# Altium PCB BW2098POE.PcbDoc (part 3 of 4)
Units mm, origin at the board's own origin, x right, y up, seen from the top; angles counter-clockwise.
Board outline 80 x 60 mm, 4 copper layers (Top Layer, Layer 2, Layer 3, Bottom Layer), stack 1.578 mm thick; 237 components, 208 nets, 924 pads, 538 vias.
Unrouted connection lines stored in the file: 70.
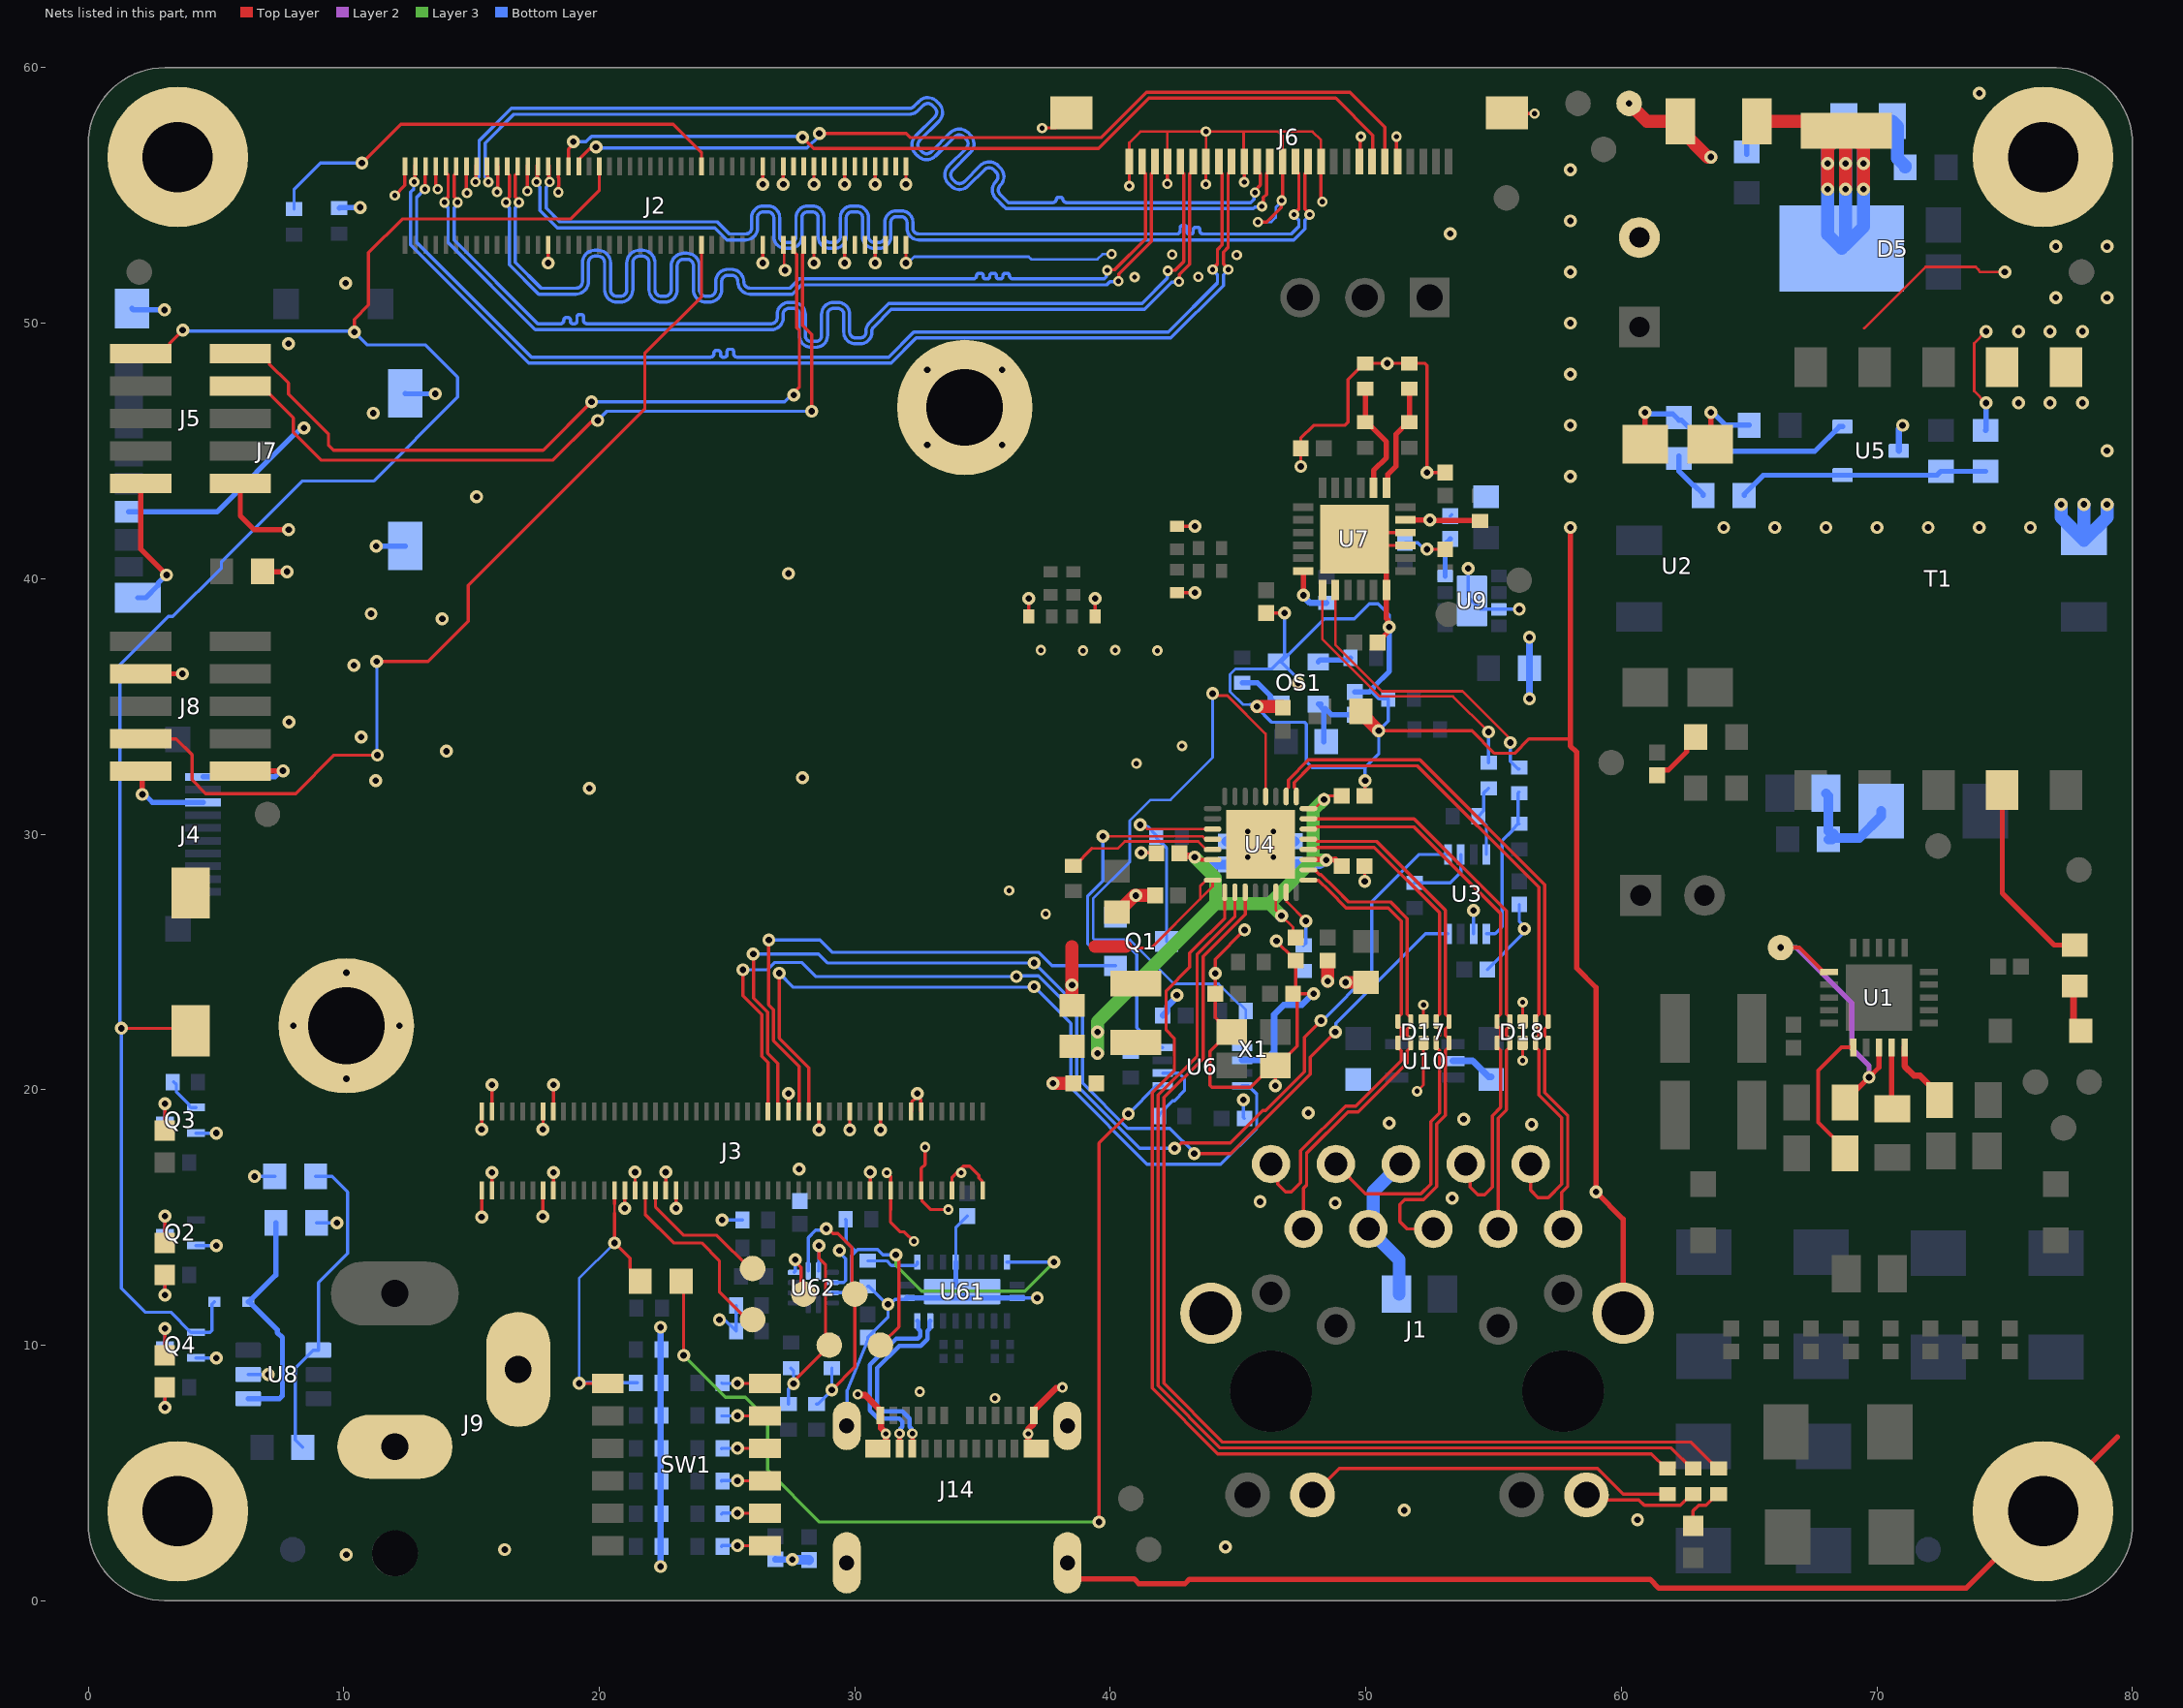
[diagram p5: the nets of this part, all layers, seen from the top]

## Via types
v1: diameter 0.508, hole 0.254, Top Layer to Bottom Layer, tented both sides, 426 vias
v2: diameter 0.406, hole 0.203, Top Layer to Bottom Layer, tented both sides, 96 vias
v3: diameter 0.406, hole 0.203, Top Layer to Bottom Layer, 8 vias
v4: diameter 0.508, hole 0.254, Top Layer to Bottom Layer, 8 vias

## Nets (pads, with @x,y where several pads share a name; then routed paths per layer and width w, separated by ;. In a path a pad name is that pad's centre, name@x,y a point inside that pad or via, vN(x,y) a via of type N, cw(c..) or ccw(c..) an arc to the next point about the centre after c; other vN are vias at no path point) (continued)
GND: B1.1 C6.1 C7.2 C9.1 C18.1 C19.1 C20.2 C21.1 C25.2 C27.2 C28.2 C29.2 C30.2 C31.2 C32.1 C34.1 C35.1 C36.1 C37.1 C38.1 C39.1 C40.1 C41.1 C42.1 C43.1 C44.1 C45.1 C46.1 C47.1 C48.1 C49.1 C51.1 C52.1 C53.1 C55.1 C56.1 C57.2 C58.1 C59.1 C60.1 C73.1 C74.1 C76.1 C207.1 D17.3 D17.8 D18.3 D18.8 J1.19 J1.20 J2.1 J2.7 J2.13 J2.19 J2.25 J2.30 J2.31 J2.71 J2.72 J2.75 J2.76 J2.81 J2.82 J2.87 J2.88 J2.93 J2.94 J2.99 J2.100 J3.1 J3.2 J3.3 J3.4 J3.13 J3.14 J3.15 J3.16 J3.30 J3.32 J3.38 J3.40 J3.61 J3.67 J3.73 J3.78 J3.79 J3.82 J3.85 J3.87 J3.88 J3.94 J3.100 J4.8 J4.10 J5.9 J5.10 J6.5 J6.8 J6.11 J6.14 J6.17 J6.20 J6.23 J6.26 J6.MP1 J6.MP2 J7.6 J7.11 J7.12 J7.13 J7.14 J8.3 J8.9 J8.10 J9.2 J9.3 J14.A1 J14.A12 J14.B1 J14.B12 J14.SH1 J14.SH2 J14.SH3 J14.SH4 MH1.1 MH2.1 MP1.1 MP2.1 MP3.1 MP4.1 OS1.2 Q1.2 Q2.2 Q3.2 Q4.2 R15.1 R19.2 R20.2 R21.2 R22.2 R23.2 R31.2 R32.2 R40.2 R41.1 R42.1 R43.1 R44.2 R45.2 R48.1 R52.1 R62.2 R63.2 R67.1 R69.2 R183.1 R185.2 T1.9 T1.10 TP9.1 U3.2 U4.33 U5.3 U6.2 U7.3 U7.4 U7.24 U7.25 U8.2 U9.3 U9.9 U10.2 U61.5 U61.11 U61.20 U61.21 U62.10 X1.2 X1.4 | length 369.9
  Top Layer w0.102: J2.76@27.2,53.06 27.235,53.025 27.235,52.102 v1(27.27,52.067) ; J6.26@40.741,56.328 40.741,57.062 41.173,57.495 42.225,57.495 ; J6.23@42.232,56.32 42.225,56.327 42.225,57.495 ; J6.20@43.736,56.324 43.739,56.327 43.739,57.493 v2(43.738,57.495) ; J6.17@45.238,56.326 45.214,56.351 45.214,57.495 ; J6.14@46.741,56.328 46.741,57.316 46.562,57.495 ; J6.11@48.241,56.328 48.241,57.164 47.91,57.495 46.562,57.495 ; v2(51.998,19.936) 52.25,20.188 D17.3@52.25,21.775 ; D17.8@52.25,22.61 v2(52.25,23.319) ; v2(56.133,21.142) v2(56.133,23.42) ; 69.5,49.8 71.9,52.2 73.867,52.2 73.978,52.089 73.978,52.06 74.038,52 v1(75,52) ; v1(74.265,46.875) 73.8,47.34 73.8,49.21 v1(74.265,49.675) ; 42.225,57.495 v2(43.738,57.495) ; v2(43.738,57.495) 45.214,57.495 ; 45.214,57.495 46.562,57.495
  Top Layer w0.127: v2(12,55) 12.39,55.39 12.39,56.18 J2.1@12.4,56.19 ; J2.7@13.6,56.19 13.6,55.394 13.674,55.32 v2(13.674,55.245) ; J2.13@14.8,56.19 J2.13@14.8,56.14 14.8,55.925 14.79,55.915 14.79,55.378 14.798,55.37 14.798,55.118 v2(14.824,55.092) ; v1(15.396,15.013) 15.4,15.018 J3.2@15.4,16.06 ; v1(15.396,18.443) 15.398,18.445 15.398,19.138 J3.1@15.4,19.14 J3.1@15.396,19.144 ; J3.4@15.8,16.06 15.802,16.062 15.802,16.75 15.8,16.752 v1(15.804,16.757) ; J3.3@15.8,19.14 15.802,19.142 15.802,20.185 v1(15.804,20.187) ; v2(16,55.135) 16.025,55.16 16.025,56.165 J2.19@16,56.19 ; v2(17.186,55.169) 17.186,55.364 17.178,55.372 17.178,55.678 17.186,55.686 17.186,56.176 J2.25@17.2,56.19 ; v1(17.784,15.027) 17.788,15.031 J3.14@17.788,16.074 ; v1(17.796,18.443) 17.798,18.445 17.798,19.138 J3.13@17.8,19.14 ; v1(18,52.35) J2.30@18,53.06 ; J3.16@18.2,16.06 18.202,16.062 18.202,16.75 18.2,16.752 v1(18.204,16.757) ; J3.15@18.2,19.14 18.202,19.142 18.202,20.185 v1(18.204,20.187) ; v2(18.4,55.123) 18.4,55.35 18.422,55.372 18.422,55.678 18.4,55.7 J2.31@18.4,56.14 J2.31@18.4,56.19 ; v1(21,15.35) J3.30@21,16.06 ; J3.32@21.4,16.06 v1(21.4,16.77) ; J3.38@22.6,16.06 v1(22.6,16.77) ; v1(23,15.35) J3.40@23,16.06 ; v1(26.4,52.35) J2.72@26.4,53.06 ; v1(26.4,55.43) J2.71@26.4,56.14 ; v1(27.2,55.43) J2.75@27.2,56.14 ; J3.61@27.4,19.14 v1(27.4,19.85) ; v1(28.4,52.35) J2.82@28.4,53.06 ; v1(28.4,55.43) J2.81@28.4,56.14 ; v1(28.6,18.43) J3.67@28.6,19.14 ; v1(29.6,52.35) J2.88@29.6,53.06 ; v1(29.6,55.43) J2.87@29.6,56.14 ; v1(29.8,18.43) J3.73@29.8,19.14 ; J3.78@30.6,16.06 v1(30.6,16.77) ; v1(30.8,52.35) J2.94@30.8,53.06 ; v1(30.8,55.43) J2.93@30.8,56.14 ; v1(31,18.43) J3.79@31,19.14 ; v2(31.25,16.75) 31.4,16.6 J3.82@31.4,16.06 31.4,15.296 31.394,15.29 31.394,14.812 31.772,14.434 31.942,14.434 v2(32.311,14.065) ; v1(32,52.35) J2.100@32,53.06 ; v1(32,55.43) J2.99@32,56.14 ; J3.85@32.2,19.14 32.227,19.166 32.227,19.517 32.375,19.665 32.375,19.777 v1(32.448,19.85) 32.448,19.747 32.574,19.621 32.574,19.166 J3.87@32.6,19.14 ; v2(32.75,17.75) 32.75,17.07 32.6,16.92 J3.88@32.6,16.06 32.627,16.034 32.627,15.638 32.956,15.309 v2(33.659,15.309) ; J3.94@33.8,16.06 33.8,16.55 34.25,17 34.5,17 34.855,16.645 34.855,16.555 34.974,16.437 34.974,16.087 J3.100@35,16.06 ; R41.1@36.804,38.517 v1(36.804,39.227) ; v2(37.328,57.628) 37.342,57.642 37.879,57.642 J6.MP2@38.466,58.228 ; R40.2@39.404,38.517 v1(39.404,39.227) ; C21.1@40.25,26.95 C21.1@40.3,26.95 ; v2(40.741,55.364) J6.26@40.741,56.328 ; v1(41.2,29.274) 41.776,29.274 C44.1@41.8,29.25 ; C34.1@41.746,27.596 C34.1@41.75,27.6 ; v2(42.224,55.452) 42.232,55.46 42.232,56.32 J6.23@42.241,56.328 ; R42.1@42.6,39.45 v1(43.31,39.45) ; R43.1@42.6,42.05 v1(43.31,42.05) ; v2(43.732,55.432) 43.736,55.436 J6.20@43.736,56.324 ; J6.20@43.739,56.327 J6.20@43.741,56.328 ; C48.1@44.09,23.627 43.977,23.627 C48.1@44.1,23.75 ; X1.4@44.3,22.687 X1.4@44.693,22.293 ; X1.4@44.666,22.25 X1.4@44.65,22.25 ; X1.4@44.75,22.25 X1.4@44.65,22.25 ; v2(45.236,55.515) 45.238,55.517 45.238,56.326 J6.17@45.241,56.328 ; v1(45.25,26.25) 44.1,25.1 v1(44.1,24.55) C48.1@44.1,23.75 ; v2(45.775,53.957) 46.12,53.957 46.678,54.516 46.678,54.772 v2(46.701,54.795) 46.741,54.834 J6.14@46.741,56.328 ; C27.2@46.1,38.65 v1(46.81,38.65) ; v1(46.45,20.15) X1.2@46.45,20.945 ; X1.2@46.45,20.95 X1.2@46.55,20.95 ; v1(46.5,25.814) 46.5,25.8 C45.1@47.15,25.15 ; C41.1@46.695,35 C41.1@46.745,34.95 ; C49.1@47.155,23.75 v1(47.95,23.75) ; C45.1@47.25,25.05 47.25,23.85 C49.1@47.15,23.75 47.304,23.596 47.304,21.704 X1.2@46.55,20.95 ; v1(47.45,44.39) C29.2@47.45,45.1 47.45,45.5 47.95,46 49.175,46 49.3,46.125 49.3,47.8 49.925,48.425 v1(50.838,48.425) R44.2@51.7,48.425 52.316,48.425 52.39,48.351 v1(52.39,44.15) C28.2@53.1,44.15 ; J6.11@48.241,56.328 48.241,54.799 v2(48.294,54.746) ; C40.1@48.5,25.045 48.503,25.047 C40.1@48.5,25.05 ; J6.8@49.741,56.328 49.77,56.358 49.77,57.27 v2(49.8,57.3) ; C38.1@49.8,34.75 C38.1@49.8,34.8 ; C42.1@49.95,28.75 49.952,28.748 v1(49.952,28.15) ; C43.1@49.95,31.5 49.969,31.519 v1(49.969,32.1) ; v1(50.5,34.05) 54.149,34.05 55.033,33.165 55.818,33.165 56.378,33.725 58,33.725 ; v2(51.2,57.3) 51.2,56.369 J6.5@51.241,56.328 ; U7.3@51.55,41.3 49.8,41.3 U7.25@49.55,41.55 49.8,41.8 U7.4@51.55,41.8 ; v1(52.39,41.15) C30.2@53.1,41.15 ; J6.MP1@55.516,58.228 55.544,58.2 v2(56.6,58.2) ; C48.1@44.1,23.75 44.1,22.816 44.214,22.702 44.214,22.687 X1.4@44.65,22.25 ; X1.4@44.65,22.25 43.896,21.496 43.896,20.163 43.97,20.089 45.489,20.089 46.35,20.95 X1.2@46.55,20.95
  Top Layer w0.203: J8.9@2.05,32.46 2.118,32.392 v1(2.118,31.554) ; J8.3@2.05,36.27 2.056,36.276 v1(3.682,36.276) ; J5.9@2.05,43.73 2.05,41.16 v1(3.066,40.144) ; J8.10@5.95,32.46 5.967,32.477 7.618,32.477 v1(7.622,32.481) ; J5.10@5.95,43.73 5.95,42.46 6.497,41.913 v1(7.843,41.913) ; C55.1@6.819,40.281 6.827,40.272 v1(7.781,40.272) ; U7.25@49.8,41.3 50.8,40.3 U7.24@50.8,39.55 50.8,38.45 50.854,38.396 50.854,38.1 v1@50.883,38.071 ; C31.2@50.45,37.5 50.854,37.904 50.854,38.042 v1(50.912,38.1)
  Top Layer w0.206: J14.SH3@38.32,1.48 38.32,1.271 38.733,0.858 40.921,0.858 41.117,0.662 42.918,0.662 43.091,0.836 61.113,0.836 61.466,0.484 73.484,0.484 MP4.1@76.5,3.5 79.399,6.399 ; v1(58,42) 58,33.725 58,33.459 58.24,33.219 58.24,24.76 59,24 v1(59,16) 60.065,14.936 J1.19@60.065,11.25
  Top Layer w0.25: v2(30.115,8.078) 30.145,8.048 30.402,8.048 31,7.45 J14.A1@31,7.25 31.025,7.225 31.025,6.753 31.217,6.561 v2(31.217,6.528) 31.217,6.175 30.992,5.95 J14.B12@30.9,5.95 J14.B12@30.675,6.175 ; J14.B1@37.325,6.175 J14.B1@37.1,5.95 36.78,6.271 v2(36.78,6.528) 36.78,6.71 37,6.93 J14.A12@37,7.25 37,7.45 37.866,8.317 38.096,8.317 v2(38.126,8.347)
  Top Layer w0.508: v1(37.75,20.25) C37.1@38.545,20.25 ; C36.1@38.5,23.305 v1(38.5,24.1) 38.5,25.6 ; C21.1@40.3,26.95 40.946,27.596 C34.1@41.746,27.596 ; v1(45.735,35) C41.1@46.695,35 ; v1(48.5,24.25) C40.1@48.5,25.045 ; v1(49.2,24.2) C39.1@49.995,24.2 ; C38.1@49.8,34.75 v1(50.5,34.05) ; v1(60.3,58.6) 61,57.9 C6.1@62.3,57.9 62.3,57.575 63.375,56.5 v1(63.5,56.5)
  Layer 3 w0.206: MH2.1@10.1,22.5 v4(12.175,22.5)
  Bottom Layer w0.102: v1(32,52.35) 32.075,52.35 32.325,52.6 36.8,52.6 36.9,52.5 39.487,52.5 39.689,52.701 40.04,52.701 v2(40.044,52.706) ; 45.47,35.074 45.185,35.074 44.681,35.579 44.681,36.255 44.893,36.468 46.309,36.468 OS1.2@46.322,36.48 ; v2(45.775,53.957) 46.292,53.957 46.471,54.136 46.471,54.523 46.701,54.754 v2(46.701,54.795)
  Bottom Layer w0.127: Q2.2@4.219,13.901 v1(5.008,13.901) ; Q4.2@4.22,9.5 v1(5.009,9.5) ; Q3.2@4.22,18.3 v1(5.009,18.3) ; U8.2@6.258,8.854 v1(7.046,8.854) ; v1(6.511,16.6) C51.1@7.3,16.6 ; R52.1@8.941,14.783 v1(9.729,14.783) ; v1(24.7,11) 24.901,11 R31.2@25.35,10.55 R32.2@25.35,11.55 ; v1(24.8,14.9) R183.1@25.595,14.9 ; U62.10@29.125,12.451 29.566,12.451 29.64,12.525 29.64,13.384 29.4,13.624 v1(29.4,13.7) ; J14.SH1@29.68,6.84 29.7,8.233 30.477,10.14 30.5,10.15 C76.1@30.5,10.3 31.3,11.1 v1(31.3,11.598) ; R185.2@30.5,12.3 30.55,12.3 31.252,11.598 v1(31.3,11.598) ; U61.20@32.05,11.85 31.988,11.789 31.567,11.789 31.376,11.598 v1(31.3,11.598) ; U61.21@33.95,12.35 U61.21@34.2,12.1 ; U61.5@33.95,13.25 33.95,14.603 C74.1@34.392,15.045 ; U61.11@36.6,11.85 v1(37.138,11.85) ; v1(45.2,19.6) 45.2,18.92 C52.1@45.25,18.87 ; 45.47,35.074 45.471,35.073 45.662,35.073 v1(45.735,35) 45.735,34.957 46.312,34.379 47.594,34.379 47.669,34.305 47.669,32.827 47.895,32.6 49.969,32.6 ; OS1.2@46.322,36.48 OS1.2@46.583,36.742 ; v1(46.81,38.65) 46.81,36.969 OS1.2@46.583,36.742 ; v1(47.347,35.917) 47.274,35.99 47.274,36.151 OS1.2@46.683,36.742 ; v1(49.969,32.1) 49.969,32.6 ; 50.141,35.567 50.235,35.567 50.5,35.302 R69.2@50.874,35.302 50.874,34.424 v1(50.5,34.05) 50.5,33.131 49.969,32.6 ; v1(50.912,38.1) 50.912,38.581 50.474,39.019 50.126,39.019 49.881,38.774 49.881,38.763 49.549,38.431 48.372,38.431 OS1.2@46.683,36.742 ; C32.1@51.524,41.4 52.037,41.4 52.287,41.15 v1(52.39,41.15) ; C58.1@53.3,42.45 C58.1@53.35,42.5 ; v1(54,40.4) 54,39.275 U9.9@54.15,39.125 54.475,38.8 U9.3@55.2,38.8 v1(56,38.8) ; U3.2@54.213,26.102 v1(54.213,27.013) ; C18.1@54.75,24.7 56.127,26.077 56.127,26.227 v1(56.2,26.3) 56.2,26.403 56,26.603 C19.1@56,27.25 ; OS1.2@46.583,36.742 OS1.2@46.683,36.742
  Bottom Layer w0.203: J7.6@1.588,42.613 5.033,42.613 8.098,45.677 8.136,45.677 8.36,45.901 v1(8.442,45.901) ; J7.14@1.713,50.572 1.769,50.516 v1(2.989,50.516) ; J7.13@1.938,39.252 2.253,39.252 2.736,39.736 2.736,39.814 v1(3.066,40.144) ; v1(2.118,31.554) 2.201,31.554 2.513,31.242 J4.8@4.495,31.242 ; J4.10@4.495,32.242 7.3,32.242 7.539,32.481 v1(7.622,32.481) ; R67.1@9.823,54.504 9.836,54.516 10.626,54.516 v1(10.639,54.529) ; v1(11.266,41.268) 12.403,41.268 J7.12@12.413,41.277 ; J7.11@12.413,47.248 12.427,47.233 v1(13.578,47.233) ; U61.20@32.05,11.85 U61.21@34.45,11.85 ; U61.21@33.95,12.35 U61.5@33.95,13.25 ; U61.21@34.2,12.1 U61.21@34.45,11.85 ; U61.11@36.6,11.85 U61.11@36.35,11.85 U61.21@34.45,11.85 ; C20.2@49.558,35.567 50.141,35.567 50.294,35.721 50.294,35.753 50.912,36.371 v1(50.912,38.1) ; C9.1@64.9,56.6 64.9,57.256 65.014,57.371 65.014,57.453 ; R15.1@74.25,45.8 74.265,45.815 v1(74.265,46.875)
  Bottom Layer w0.206: MH1.1@34.3,46.7 v4(35.767,45.233)
  Bottom Layer w0.25: C53.1@42.05,22.9 42.235,23.085 42.235,23.265 42.6,23.63 v1(42.6,23.7) ; U6.2@45.15,21.15 46.071,21.15 46.406,21.486 46.406,22.938 46.788,23.319 47.491,23.319 47.922,23.75 v1(47.95,23.75)
  Bottom Layer w0.254: v1(22.4,1.335) v1(22.4,10.7) ; C73.1@26.887,1.62 26.902,1.605 v1(27.548,1.605) ; U10.2@53.4,21.125 54.175,21.125 54.8,20.5 C59.1@54.9,20.5 ; v1(56.4,35.3) C57.2@56.4,36.5 v1(56.4,37.7) ; U5.3@70.85,45 70.85,45.85 v1(71,46)
  Bottom Layer w0.381: v1(27.548,1.605) 27.556,1.598 28.202,1.598 C207.1@28.21,1.59 ; C47.1@44.525,29.713 44.988,29.713 v3(45.375,30.1) ; v3(46.375,30.1) 46.756,29.719 C46.1@47.225,29.719
  Bottom Layer w0.508: v1(77.2,42.9) 77.2,42.4 C25.2@78.1,41.5 79,42.4 v1(79,42.9) ; C25.2@78.1,41.508 v1(78.1,42.908)
  other v1: 10.1,1.8 16.3,2 44.5,2.1 60.627,3.168 51.5,3.537 48.798,15.568 45.858,15.614 53.372,15.751 27.817,16.894 56.488,18.642 50.911,18.696 53.823,18.847 47.739,19.095 41,27.596 19.616,31.796 11.252,32.093 27.945,32.213 14.021,33.245 10.676,33.799 7.858,34.391 10.394,36.612 13.855,38.428 11.07,38.627 27.4,40.2 64,42 66,42 68,42 70,42 72,42 74,42 76,42 15.2,43.2 58,44 79,45 58,46 11.156,46.474 75.535,46.875 76.765,46.875 78.035,46.875 58,48 7.841,49.197 75.535,49.675 76.765,49.675 78.035,49.675 58,50 77,51 79,51 10.074,51.562 58,52 77,53 79,53 53.3,53.5 58,54 58,56 74,59
  other v2: 35.484,7.925 32.536,8.181 34.16,16.75 37.471,26.875 36.035,27.796 41.02,32.765 42.803,33.448 38.932,37.182 41.841,37.182 37.281,37.201 40.191,37.201 40.95,51.8 43.436,51.807 44.945,52.666 42.413,52.687
  other v3: 45.375,29.1 46.375,29.1
  other v4: 10.1,20.425 8.025,22.5 10.1,24.575 32.833,45.233 32.833,48.167 35.767,48.167
GPIO7/sd_hst_cd: J2.59 R66.2 | length 18.8
  Top Layer w0.127: v1(10.711,56.266) 12.229,57.784 13.351,57.784 13.354,57.786 13.701,57.786 13.704,57.784 22.886,57.784 24,56.67 J2.59@24,56.14
  Bottom Layer w0.127: R66.2@8.057,54.466 8.057,55.238 9.085,56.266 v1(10.711,56.266)
GPIO8: J2.60 J8.7 | length 37.8
  Top Layer w0.127: J8.7@2.05,33.73 3.441,33.73 4.061,33.109 4.061,32.125 4.597,31.589 8.118,31.589 9.62,33.091 v1(11.314,33.091) ; v1(11.285,36.76) 13.298,36.76 14.866,38.328 14.866,39.729 21.779,46.641 21.779,48.812 24,51.033 J2.60@24,53.06
  Bottom Layer w0.127: v1(11.285,36.76) 11.3,36.745 11.3,33.106 v1(11.314,33.091)
GPIO58: J3.28 R27.1 R63.1 SW1.1 | length 13.4
  Top Layer w0.102: v1(19.207,8.504) SW1.1@20.331,8.504 ; 20.594,15.164 20.594,15.518
  Top Layer w0.127: 20.594,15.164 20.594,14.006 21.201,13.399 21.201,13.011 21.214,12.998 21.214,12.887 R27.1@21.6,12.5 ; 20.594,15.518 20.6,15.525 J3.28@20.6,16.06
  Bottom Layer w0.102: v1@19.252,8.549 v1(19.207,8.504) 19.207,8.549 19.207,12.607 v1(20.6,14)
  Bottom Layer w0.127: v1@19.277,8.524 R63.1@21.481,8.524
HSO: R8.2 U1.10 | length 2.8
  Top Layer w0.254: U1.10@71.076,21.657 71.076,20.926 71.453,20.55 71.675,20.55 72.45,19.775 R8.2@72.45,19.6
I2C0_SCL: J3.34 TP1.1 | length 7.6
  Top Layer w0.127: J3.34@21.8,16.06 21.8,15.1 22.9,14 24,14 24.7,13.3 24.7,12.1 25.8,11 TP1.1@26,11
I2C0_SDA: J3.36 TP2.1 | length 5.5
  Top Layer w0.127: J3.36@22.2,16.06 22.2,15.4 23.3,14.3 24.6,14.3 25.9,13 TP2.1@26,13
I2C1_SCL: J2.35 J6.6 | length 35
  Top Layer w0.127: J2.35@19.2,56.14 19.2,56.4 19.345,56.545 19.345,56.558 19.608,56.821 19.796,56.821 v1(19.869,56.894) ; v1(28.609,57.42) 32.016,57.42 32.176,57.26 39.633,57.26 41.407,59.033 49.381,59.033 50.741,57.674 J6.6@50.741,56.328
  Bottom Layer w0.127: v1(19.869,56.894) 19.909,56.854 28.131,56.854 28.609,57.333 v1(28.609,57.42)
I2C1_SDA: J2.33 J6.7 | length 35.1
  Top Layer w0.127: J2.33@18.8,56.14 18.8,56.809 18.985,56.993 v1(18.985,57.097) ; v1(27.957,57.273) 28.394,56.837 35.381,56.837 39.533,56.837 41.501,58.805 48.816,58.805 50.267,57.354 50.267,56.355 J6.7@50.241,56.328
  Bottom Layer w0.127: v1(18.985,57.097) 19.479,57.097 19.696,57.313 27.917,57.313 v1(27.957,57.273)
I2C2_SCL: J2.77
I2C2_SDA: J2.79
I2C3_SCL: J2.78 J5.2 | length 30.8
  Top Layer w0.127: J5.2@5.85,48.81 6.77,48.81 7.087,48.493 7.087,48.397 7.831,47.652 7.831,47.227 9.403,45.656 9.403,45.219 9.597,45.025 17.802,45.025 v1(19.696,46.918) ; J2.78@27.6,53.06 27.627,53.034 27.627,52.773 27.72,52.68 27.72,49.827 27.831,49.716 27.831,47.508 27.609,47.287 v1(27.609,47.184)
  Bottom Layer w0.127: v1(19.696,46.918) 27.246,46.918 27.512,47.184 v1(27.609,47.184)
I2C3_SDA: J2.80 J5.4 | length 31.4
  Top Layer w0.127: J5.4@5.95,47.54 6.77,47.54 8.023,46.287 8.023,45.727 8.268,45.482 9.114,44.636 18.191,44.636 19.696,46.142 19.89,46.142 v1(19.938,46.19) ; J2.80@28,53.06 27.974,53.034 27.974,52.724 27.949,52.699 27.949,49.921 28.313,49.557 v1(28.313,46.55)
  Bottom Layer w0.127: v1(19.938,46.19) 20.299,46.55 v1(28.313,46.55)
I2C4_SCL1_3v3: RZ2.2 U7.20 | length 11.9
  Top Layer w0.102: U7.20@48.8,39.55 48.8,37.414 50.621,35.594 53.781,35.594 55.567,33.808 55.567,33.662 v1(55.645,33.584)
  Bottom Layer w0.129: v1(55.645,33.584) 55.645,32.855 55.95,32.55 RZ2.2@56,32.55
I2C4_SCL_1V8: J3.59 U3.4 | length 42.8
  Top Layer w0.127: v1(26.026,25.307) 26.038,25.295 26.038,23.586 26.583,23.04 26.583,21.428 26.981,21.031 26.981,19.159 J3.59@27,19.14 ; v1(43.28,17.498) 44.714,17.498 47.816,20.6 47.816,21.266 v1(48.8,22.25)
  Bottom Layer w0.127: v1(26.026,25.307) 28.578,25.307 28.927,24.958 v1(37.013,24.958) 38.906,23.066 38.906,20.257 40.682,18.48 42.328,18.48 43.28,17.529 v1(43.28,17.498) ; v1(48.8,22.25) 48.823,22.273 48.823,22.601 52.324,26.102 U3.4@53.213,26.102
I2C4_SCL_3v3: R26.2 RZ2.1 U3.1 | length 6.3
  Bottom Layer w0.127: U3.1@54.713,26.102 55.054,26.102 55.33,26.378 55.33,29.743 55.739,30.151 55.739,30.189 R26.2@55.95,30.4 ; R26.2@56,30.4 R26.2@55.95,30.4 ; RZ2.1@56,31.65 55.95,31.6 R26.2@55.95,30.4
I2C4_SDA1_3v3: RZ1.2 U7.19 | length 11.1
  Top Layer w0.102: U7.19@48.3,39.55 48.3,37.627 50.537,35.39 53.41,35.39 v1(54.8,34)
  Bottom Layer w0.129: RZ1.2@54.8,32.8 v1(54.8,34)
I2C4_SDA_1V8: J3.57 U3.5 | length 45.5
  Top Layer w0.127: v1(25.618,24.692) 25.618,23.682 26.355,22.945 26.355,21.309 26.6,21.063 J3.57@26.6,19.14 ; v1(42.516,17.7) 42.564,17.7 42.781,17.917 44.69,17.917 45.954,19.181 46.074,19.181 47.587,20.695 47.587,22.043 v1(48.245,22.7)
  Bottom Layer w0.127: v1(25.618,24.692) 26.581,24.692 26.867,24.978 27.921,24.978 28.474,24.426 v1(36.322,24.426) 36.345,24.449 37.182,24.449 38.677,22.954 38.677,20.162 41.139,17.7 v1(42.516,17.7) ; v1(48.245,22.7) 48.293,22.7 50.231,24.638 50.231,27.364 52.068,29.202 U3.5@53.213,29.202
I2C4_SDA_3v3: R25.2 RZ1.1 U3.8 | length 2.9
  Bottom Layer w0.127: U3.8@54.713,29.202 54.713,30.337 54.4,30.65 R25.2@54.4,30.7 54.612,30.912 54.612,31.612 RZ1.1@54.8,31.8
ISNS: R13.1 TP10.1 U1.1 U1.8 | length 11.9
  Top Layer w0.152: v1(66.225,25.562) 66.232,25.555 66.954,25.555 67.901,24.607 U1.1@68.126,24.607
  Top Layer w0.203: R13.1@68.728,19.522 v1(69.688,20.483) 70.076,20.871 U1.8@70.076,21.657
  Layer 2 w0.203: v1(66.225,25.562) 66.838,25.562 69.018,23.382 69.018,21.605 69.688,20.934 v1(69.688,20.483)
LED0_10_GRN: R57.1 U4.27 | length 43.6
  Top Layer w0.127: U4.27@45.275,27.725 45.275,26.868 43.625,25.218 43.625,21.222 42.097,19.694 42.097,8.503 44.394,6.206 62.719,6.206 63.75,5.175 R57.1@63.8,5.175
LED0_10_GRN1: D16.1 R57.2 | length 1.9
  Top Layer w0.127: D16.1@62.8,2.925 62.8,3.516 63.019,3.735 63.31,3.735 63.75,4.175 R57.2@63.8,4.175
LED1_100_OR: R58.1 U4.26 | length 42.8
  Top Layer w0.127: U4.26@44.875,27.725 44.875,26.791 43.396,25.312 43.396,21.316 41.868,19.788 41.868,8.732 41.868,8.408 44.299,5.978 44.622,5.978 61.947,5.978 62.75,5.175 R58.1@62.8,5.175
LED1_100_OR1: J1.18 R58.2 | length 4.5
  Top Layer w0.127: J1.18@58.63,4.14 58.824,3.946 60.681,3.946 60.892,3.735 62.31,3.735 62.75,4.175 R58.2@62.8,4.175
LED2_1000_GRN: R59.1 U4.25 | length 42.3
  Top Layer w0.127: U4.25@44.475,27.725 44.475,26.714 43.235,25.474 43.1,25.339 43.1,24.793 42.181,23.874 42.181,22.335 42.5,22.016 42.5,20.743 41.64,19.883 41.64,8.96 41.64,8.637 41.64,8.314 44.204,5.749 44.528,5.749 61.176,5.749 61.75,5.175 R59.1@61.8,5.175
LED2_1000_GRN1: J1.16 R59.2 | length 14.7
  Top Layer w0.127: J1.16@47.91,4.14 48.95,5.18 59.061,5.18 60.066,4.175 R59.2@61.8,4.175
MD1_N: D17.2 D17.9 J1.2 U4.2 | length 18.7
  Top Layer w0.13: J1.2@47.555,14.55 47.555,16.142 47.677,16.264 47.677,17.514 49.293,19.129 49.698,19.129 51.616,21.047 51.616,21.516 51.75,21.65 51.75,22.015 51.715,22.05 51.692,22.05 51.616,22.126 51.616,22.374 51.692,22.45 51.715,22.45 51.75,22.485 51.75,22.85 51.715,22.885 51.692,22.885 51.616,22.961 51.616,26.7 50.969,27.346 49.32,27.346 48.803,27.863 48.244,28.422 48.182,28.422 48.007,28.597 U4.2@47.997,28.597
MD1_P: D17.1 D17.10 J1.1 U4.1 | length 18.7
  Top Layer w0.13: J1.1@46.285,17.09 46.547,16.828 46.547,16.309 46.853,16.002 47.089,16.002 47.446,16.36 47.446,17.61 49.197,19.361 49.602,19.361 51.384,21.143 51.384,21.516 51.25,21.65 51.25,22.015 51.285,22.05 51.308,22.05 51.384,22.126 51.384,22.374 51.308,22.45 51.285,22.45 51.25,22.485 51.25,22.85 51.285,22.885 51.308,22.885 51.384,22.961 51.384,26.604 50.873,27.115 49.224,27.115 48.572,27.767 48.148,28.191 47.759,28.191 U4.1@47.75,28.2